# Altium PCB Fri3D_2018_01.PcbDoc (part 2 of 3) (continued)
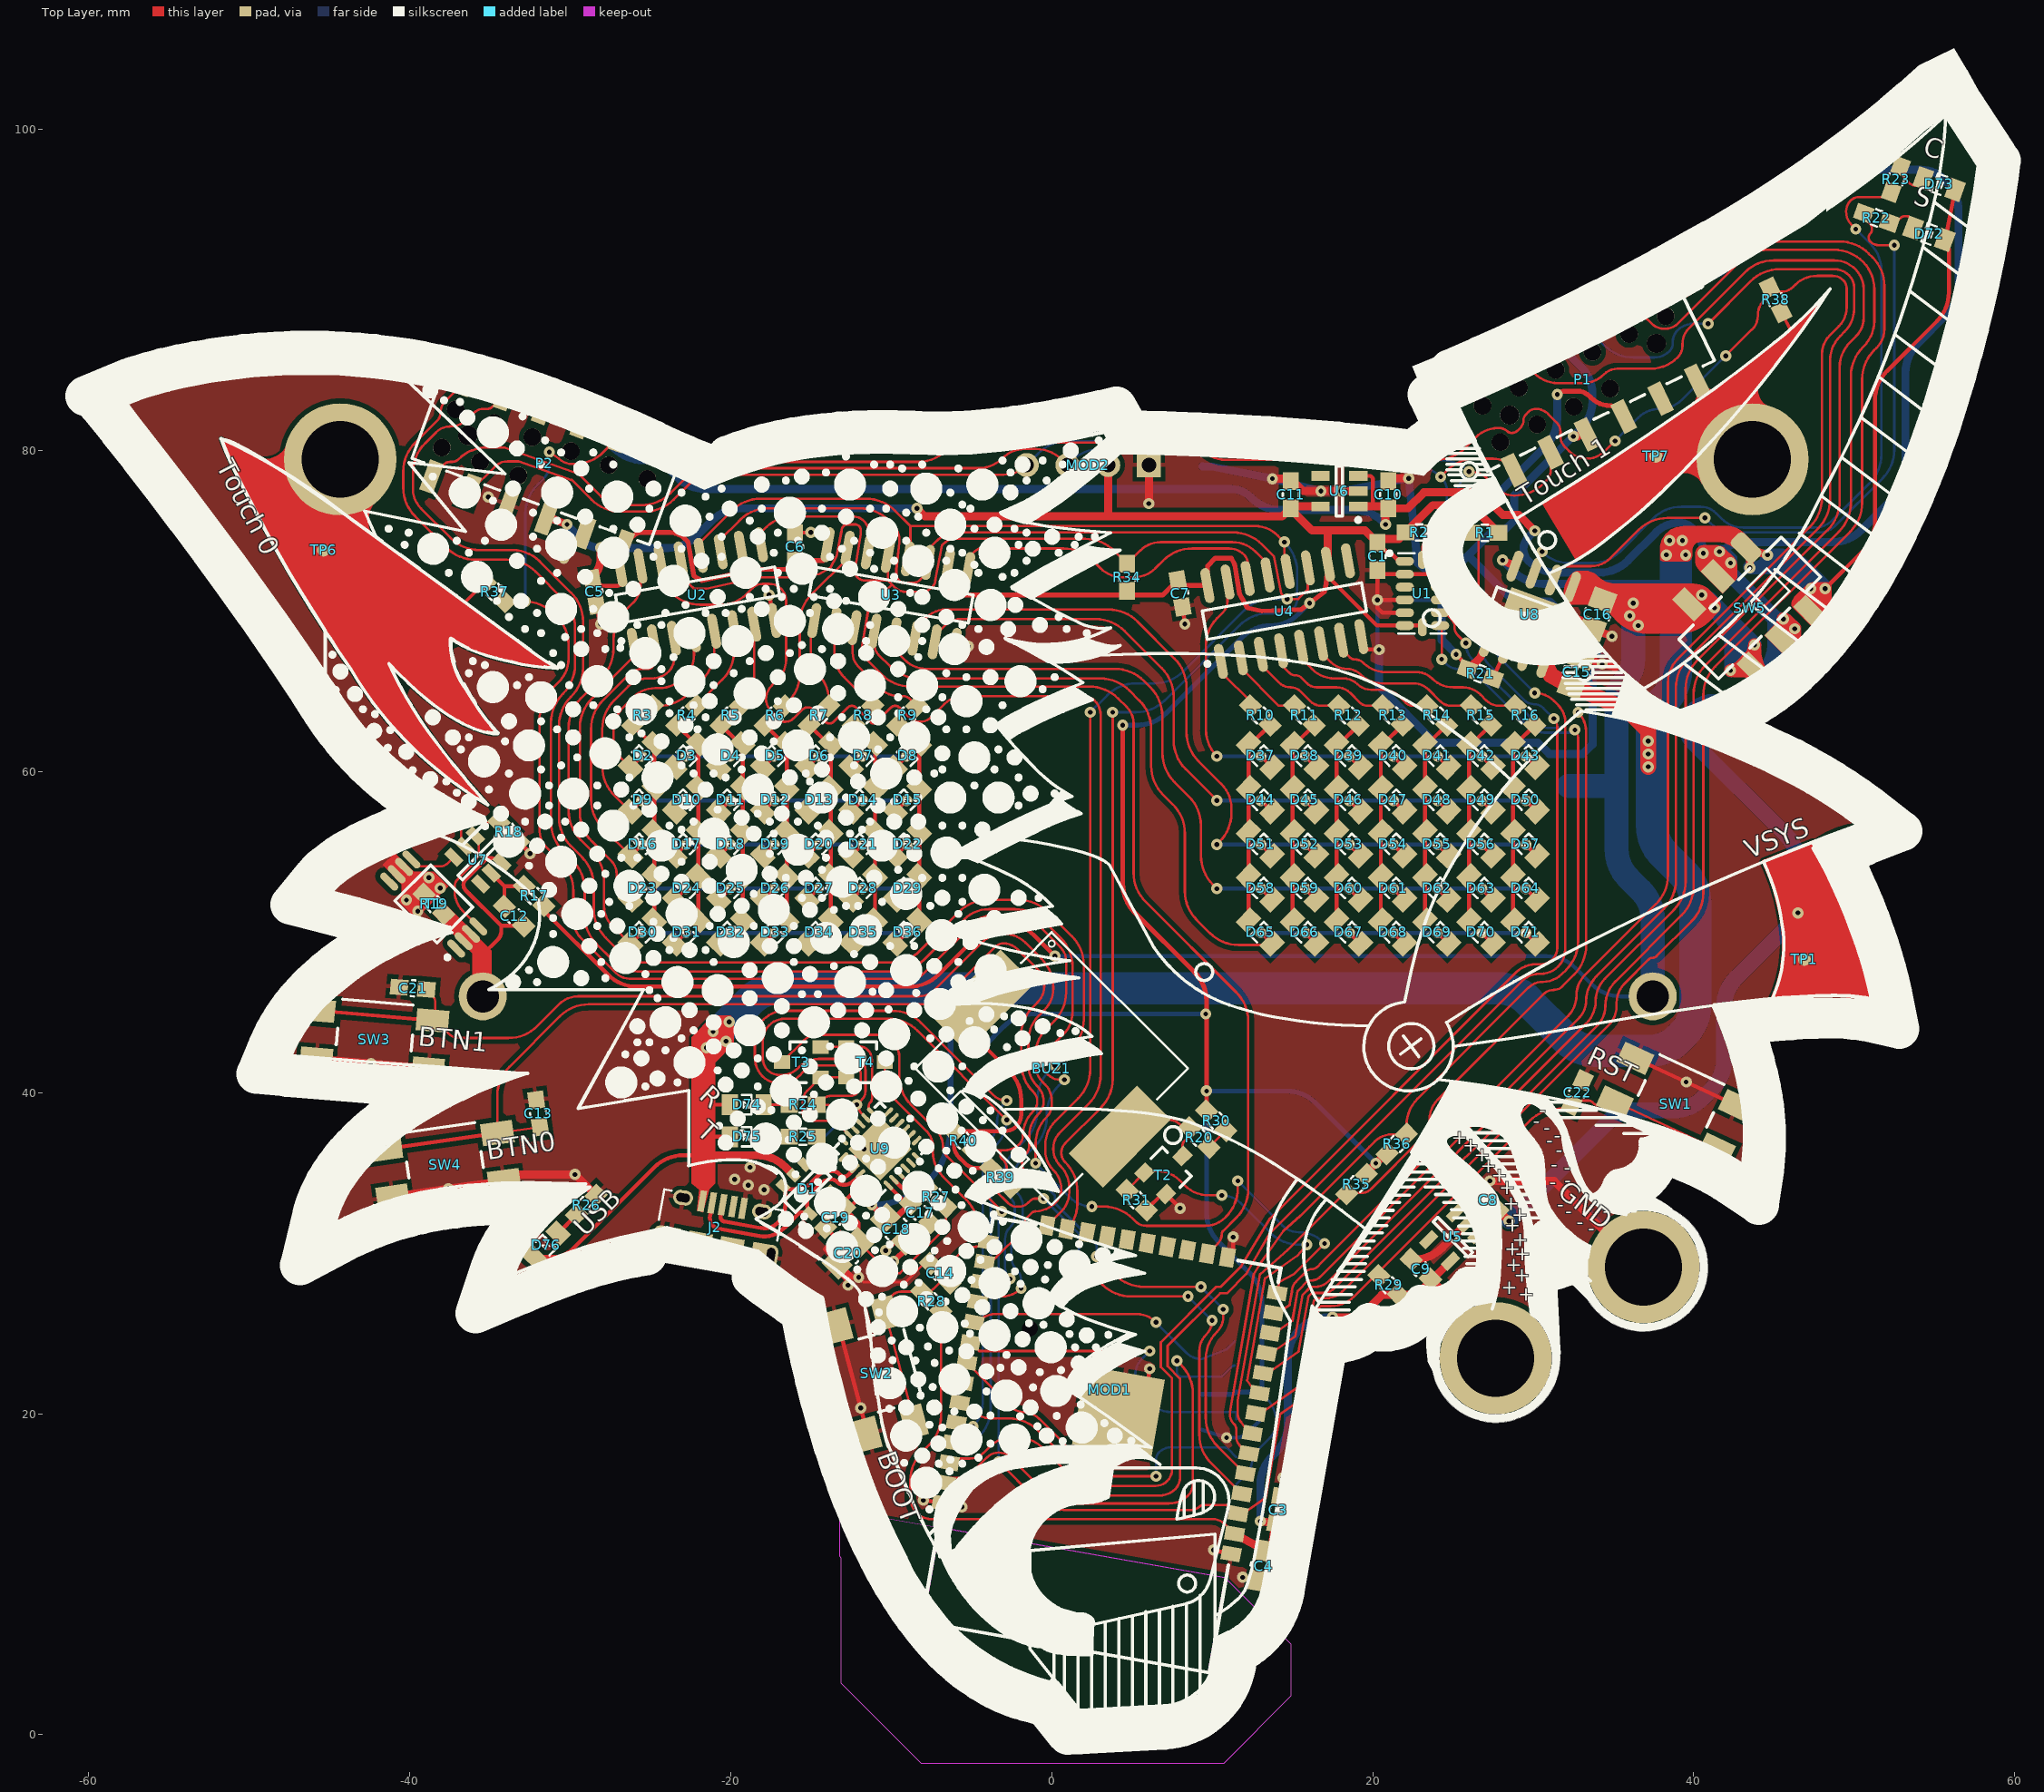
[diagram p0: Top Layer view]
## Nets (pads, with @x,y where several pads share a name; then routed paths per layer and width w, separated by ;. In a path a pad name is that pad's centre, name@x,y a point inside that pad or via, vN(x,y) a via of type N, cw(c..) or ccw(c..) an arc to the next point about the centre after c; other vN are vias at no path point) (continued)
  Bottom Layer w0.15: v1(40.7,75.8) 40.856,75.644 ccw(c42.652,77.44) 40.875,75.625 ccw(c42.652,77.44) 42.652,74.9 47.834,74.9 ccw(c47.834,76.266) 48.799,75.299 ; 48.8,75.3 51.756,78.256 ccw(c49.96,80.052) 52.5,80.052 v1(52.5,92.8)
NetR23_2: R23.2 U8.7 | length 45.9
  Top Layer w0.15: U8.7@30.1,72.6 v1(30.547,73.7) ; v1(50.1,93.8) 49.854,94.046 cw(c50.707,94.9) 49.5,94.9 cw(c50.466,94.9) 49.783,95.583 cw(c50.307,95.059) 50.307,95.8 52.008,95.8 R23.2@52.309,96.101
  Bottom Layer w0.15: v1(30.547,73.7) 30.574,73.674 ccw(c32.2,75.3) 32.2,73 33.725,73 ccw(c33.725,75.353) 35.388,73.688 ; 35.389,73.689 37.456,75.756 cw(c39.252,73.96) 39.252,76.5 40.434,76.5 cw(c40.434,75.134) 41.399,76.101 41.734,75.766 ; 41.735,75.765 ccw(c43.1,77.131) 43.1,75.2 47.5,75.2 ccw(c47.5,76.89) 48.694,75.694 ; 48.695,75.695 50.956,77.956 ccw(c49.16,79.752) 50.958,77.958 ccw(c49.16,79.752) 51.7,79.752 51.7,91.21 ccw(c49.31,91.21) 51,92.9 v1(50.1,93.8)
NetR27_2: R27.2 U9.9 | length 2
  Top Layer w0.15: U9.9@-9.475,34.927 -8.649,34.101 R27.2@-7.796,34.101
NetT1_4: T1.4 U7.1 | length 6.8
  Top Layer w0.15: -36.054,54.246 -37.009,53.291 ccw(c-36.548,52.83) -37.2,52.83 -37.2,52.536 ccw(c-35.493,52.536) -37,51.734 ccw(c-35.493,52.536) -36.7,51.329 T1.4@-35.725,50.353 ; -36.053,54.247 ccw(c-36.907,55.1) -35.7,55.1 -35.7,55.794 U7.1@-35.909,56.003
NetT1_5: T1.5 U7.3 | length 3
  Top Layer w0.15: T1.5@-39.897,54.525 -39.471,54.1 -38.111,54.1 ccw(c-38.111,54.823) -37.6,54.312 U7.3@-37.253,54.659
NetU2_9: U2.9 U3.14 | length 9.6
  Top Layer w0.15: U2.9@-18.118,74.135 -18.118,74.882 -17.75,75.25 cw(c-16.181,73.681) -16.181,75.9 -12.4,75.9 cw(c-12.4,74.9) -12.174,75.874 cw(c-12.4,74.9) -11.426,75.126 cw(c-12.4,74.9) -11.4,74.9 U3.14@-11.4,74.5 ; U3.14@-11.459,73.694 U3.14@-11.459,74.441
  Top Layer w0.25: U3.14@-11.459,74.441 U3.14@-11.4,74.5
NetU3_9: U3.9 U4.14 | length 20.9
  Top Layer w0.15: U3.9@-5.206,72.592 -5.206,73.294 -4.75,73.75 cw(c-4.388,73.388) -4.388,73.9 0.748,73.9 cw(c0.748,71.36) 2.544,73.156 3,72.7 ccw(c4.449,74.149) 4.449,72.1 5.051,72.1 ccw(c5.051,74.149) 5.317,72.117 ccw(c5.051,74.149) 6.5,72.7 6.956,73.156 cw(c8.752,71.36) 8.752,73.9 11.052,73.9 cw(c11.052,72.559) 12,73.507 cw(c11.5,73.007) 12.207,73.007 U4.14@12.207,72.033
PWM.0: MOD1.8 P1.12 | length 104.3
  Top Layer w0.15: MOD1.8@12.722,20.015 12.956,19.974 15.397,21.683 16.342,27.04 16.502,27.2 17.134,27.2 ccw(c17.134,28.566) 18.1,27.6 34.705,44.205 ccw(c33.51,45.4) 35.2,45.4 35.2,45.593 cw(c36.907,45.593) 35.7,46.8 37.194,48.294 ; 37.194,48.294 cw(c37.45,48.038) 37.45,48.4 ccw(c37.45,48.762) 37.706,48.506 39.856,50.656 ccw(c38.06,52.452) 40.6,52.452 40.6,64.748 cw(c43.14,64.748) 41.344,66.544 49.756,74.956 ccw(c47.96,76.752) 50.5,76.752 50.5,84.448 cw(c53.04,84.448) 50.753,85.553 cw(c53.04,84.448) 51.244,86.244 51.4,86.4 ccw(c50.232,87.568) 51.884,87.568 51.884,90.251 ccw(c49.344,90.251) 51.14,92.047 50.905,92.281 ccw(c49.109,90.485) 49.109,93.025 44.177,93.025 ccw(c44.177,90.485) 42.381,92.281 40.144,90.044 cw(c38.589,91.599) 38.589,89.4 cw(c38.589,90.547) 37.778,89.736 P1.12@37.412,90.102
PWM.1: MOD1.10 P1.10 | length 103.3
  Top Layer w0.15: MOD1.10@13.163,22.517 13.397,22.475 15.388,23.869 15.993,27.298 16.214,27.52 16.9,27.52 ccw(c16.9,28.532) 17.616,27.816 34.005,44.205 ; 34.006,44.206 ccw(c32.81,45.4) 34.5,45.4 cw(c36.673,45.4) 35.136,46.936 39.256,51.056 ccw(c37.46,52.852) 40,52.852 40,64.848 cw(c42.54,64.848) 40.744,66.644 49.056,74.956 ccw(c47.26,76.752) 49.8,76.752 49.8,84.648 cw(c52.34,84.648) 50.544,86.444 50.6,86.5 ; P1.10@35.129,88.988 35.818,88.3 36.717,88.3 cw(c36.717,87.617) 37.2,88.1 37.4,87.9 ccw(c38.143,88.643) 38.143,87.592 38.257,87.592 ccw(c38.257,88.643) 39,87.9 42.905,91.805 cw(c44.6,90.109) 43.752,92.352 cw(c44.6,90.109) 44.6,92.507 48.755,92.507 cw(c48.755,89.967) 50.551,91.763 cw(c48.846,90.058) 50.552,91.762 cw(c48.846,90.058) 51.257,90.058 51.257,88.086 cw(c49.014,88.086) 50.601,86.501
PWM.2: MOD1.11 P1.4 | length 108.8
  Top Layer w0.15: MOD1.11@13.384,23.767 13.618,23.726 15.187,24.825 15.641,27.4 16.141,27.9 16.4,27.9 ccw(c16.4,29.107) 17.253,28.253 ; 17.254,28.254 33.321,44.321 ccw(c31.934,45.708) 33.896,45.708 cw(c35.857,45.708) 34.47,47.095 38.756,51.381 ccw(c36.96,53.177) 39.5,53.177 39.5,65.148 cw(c42.04,65.148) 40.244,66.944 48.356,75.056 ccw(c46.56,76.852) 49.1,76.852 49.1,85.2 cw(c51.273,85.2) 49.736,86.736 ; P1.4@28.281,85.648 28.737,85.192 ccw(c29.2,85.655) 29.2,85 29.617,85 cw(c29.617,84.317) 30.1,84.8 ccw(c31.549,86.249) 31.549,84.2 33.092,84.2 ccw(c33.092,86.05) 34.4,84.742 cw(c35.265,83.877) 35.265,85.1 37.311,85.1 ccw(c37.311,87.488) 39,85.8 ; 39,85.8 ccw(c38.276,86.524) 39.3,86.524 39.3,86.63 cw(c40.701,86.63) 39.71,87.621 43.191,91.102 cw(c44.987,89.306) 44.987,91.846 48.761,91.846 cw(c48.761,89.982) 50.078,91.301 ; 49.736,86.736 50.118,87.118 ccw(c48.965,88.271) 50.596,88.271 50.596,90.051 ccw(c48.83,90.051) 50.079,91.3
PWM.3: MOD1.12 P1.2 | length 108.6
  Top Layer w0.15: MOD1.12@13.604,25.018 13.838,24.977 14.998,25.789 15.325,27.641 15.984,28.3 16.2,28.3 ccw(c16.2,29.024) 16.712,28.512 32.876,44.676 ccw(c31.851,45.7) 33.3,45.7 cw(c35.473,45.7) 33.936,47.236 ; P1.2@25.998,84.534 v1(27.1,85) ; 33.936,47.236 38.156,51.456 ccw(c36.36,53.252) 38.9,53.252 38.9,65.248 cw(c41.44,65.248) 39.644,67.044 47.756,75.156 ccw(c45.96,76.952) 48.5,76.952 48.5,85.6 cw(c50.673,85.6) 49.136,87.136 ; v1(40.9,87.9) 43.556,90.556 cw(c45.352,88.76) 45.352,91.3 48.766,91.3 cw(c48.766,90.01) 48.806,91.299 cw(c48.766,90.01) 48.981,91.282 cw(c48.766,90.01) 49.677,90.923 ; 49.136,87.136 49.4,87.4 ccw(c47.951,88.849) 50,88.849 50,90.144 ccw(c48.9,90.144) 49.678,90.922
  Bottom Layer w0.15: v1(27.1,85) 27.348,85 ccw(c27.348,87.54) 29.144,85.744 30.646,87.246 cw(c31.5,86.393) 31.5,87.6 32.348,87.6 cw(c32.348,85.06) 34.144,86.856 34.456,86.544 ccw(c36.252,88.34) 36.252,85.8 37.534,85.8 ccw(c37.534,87.166) 38.5,86.2 38.51,86.21 ccw(c38.051,86.669) 38.7,86.669 38.7,86.776 cw(c39.724,86.776) 39,87.5 cw(c39.966,86.534) 39.966,87.9 v1(40.9,87.9)
SD.CLK: J1.5 MOD1.30 R41.2 | length 21.2
  Top Layer w0.15: MOD1.30@-5.068,24.442 -4.544,23.918 ccw(c-4.5,23.963) -4.5,23.9 5.931,23.9 cw(c5.931,23.732) 6.049,23.851 cw(c4.622,22.422) v1@6.05,23.85
  Bottom Layer w0.15: v1(6.1,23.9) 5.626,23.426 ccw(c6.655,22.397) 5.2,22.397 ccw(c7.497,22.397) 7.497,20.1 J1.5@9.35,20.1 11.5,20.1 R41.2@11.5,19.65
SD.CS: J1.2 MOD1.29 R32.2 | length 17.7
  Top Layer w0.15: MOD1.29@-4.847,25.692 -4.76,25.692 ccw(c-4.76,26.06) -4.5,25.8 cw(c-3.534,24.834) -3.534,26.2 5.293,26.2 cw(c5.293,24.493) 6.285,25.882 cw(c5.293,24.493) v1(6.5,25.7)
  Bottom Layer w0.15: v1(6.5,25.7) 6.5,25.682 8.38,23.802 ccw(c9.35,24.772) J1.2@9.35,23.4 10.9,24 R32.2@11.4,24.5
SD.DI: J1.3 MOD1.37 R43.2 | length 30.6
  Top Layer w0.15: MOD1.37@-6.611,15.687 -6.298,16 -5.7,16 ccw(c-5.7,16.966) -5.017,16.283 -4.026,17.274 cw(c-3.3,16.549) -3.3,17.575 cw(c-3.3,16.549) -2.574,17.274 -0.444,15.144 ccw(c1.352,16.94) -0.442,15.142 ccw(c1.352,16.94) 1.352,14.4 7.293,14.4 ccw(c7.293,16.107) 8.5,14.9 ccw(c7.776,15.624) 8.8,15.624 8.8,21.248 ccw(c6.26,21.248) 8.056,23.044 v1(7.8,23.3)
  Bottom Layer w0.15: v1(7.8,23.3) 7.8,22.6 ccw(c8.1,22.6) 8.1,22.3 J1.3@9.35,22.3 10.459,22.3 ccw(c10.459,22.641) 10.7,22.4 11.229,22.929 cw(c11.4,22.759) R43.2@11.4,23
SD.DO: J1.7 MOD1.31 R42.2 | length 21.2
  Top Layer w0.15: MOD1.31@-5.288,23.191 -2.478,20.381 ccw(c-1.8,21.059) -1.8,20.1 cw(c-1.8,18.651) -0.776,19.676 2.056,16.844 ccw(c3.852,18.64) 3.852,16.1 v1(6.5,16.1)
  Bottom Layer w0.15: v1(6.5,16.1) 6.5,17.117 cw(c7.183,17.117) 6.7,17.6 cw(c7.424,16.876) 7.424,17.9 J1.7@9.35,17.9 10.759,17.9 cw(c10.759,17.559) 11,17.8 R42.2@11.5,17.3
SPI.CLK: MOD1.20
SPI.CS0: MOD1.19
SPI.D: MOD1.22
SPI.HD: MOD1.17
SPI.Q: MOD1.21
SPI.WP: MOD1.18
SR.D0: D30.1 D31.1 D32.1 D33.1 D34.1 D35.1 D36.1 U2.15 | length 49.8
  Top Layer w0.15: -27.386,50.401 cw(c-26.141,51.643) -27.9,51.643 -27.9,53.248 ccw(c-30.44,53.248) -28.644,55.044 -29.356,55.756 cw(c-27.56,57.552) -30.1,57.552 -30.1,62.748 cw(c-27.56,62.748) -29.356,64.544 -28.044,65.856 ccw(c-29.84,67.652) -27.3,67.652 -27.3,68.248 cw(c-24.76,68.248) -26.556,70.044 -26.061,70.539 ccw(c-27.123,71.6) -25.622,71.6 U2.15@-25.622,72.812 ; -27.385,50.4 D30.1@-26.242,49.258
  Top Layer w0.25: D30.1@-26.242,49.258 v1(-25.542,49.958) ; D31.1@-23.492,49.258 v1(-22.792,49.958) ; D32.1@-20.742,49.258 v1(-20.042,49.958) ; D33.1@-17.992,49.258 v1(-17.292,49.958) ; D34.1@-15.242,49.258 v1(-14.542,49.958) ; D35.1@-12.492,49.258 v1(-11.792,49.958) ; D36.1@-9.742,49.258 v1(-9.042,49.958)
  Bottom Layer w0.25: v1(-25.542,49.958) v1(-22.792,49.958) v1(-20.042,49.958) v1(-17.292,49.958) v1(-14.542,49.958) v1(-11.792,49.958) v1(-9.042,49.958)
SR.D1: D23.1 D24.1 D25.1 D26.1 D27.1 D28.1 D29.1 U2.1 | length 41.7
  Top Layer w0.15: D23.1@-26.242,52.008 -26.735,52.5 cw(c-25.854,53.381) -27.1,53.381 -27.1,53.6 ccw(c-28.307,53.6) -27.453,54.453 -28.656,55.656 cw(c-26.86,57.452) -29.4,57.452 -29.4,62.748 cw(c-26.86,62.748) -28.656,64.544 -26.039,67.161 U2.1@-26.039,67.865
  Top Layer w0.25: D23.1@-26.242,52.008 v1(-25.542,52.708) ; D24.1@-23.492,52.008 v1(-22.792,52.708) ; D25.1@-20.742,52.008 v1(-20.042,52.708) ; D26.1@-17.992,52.008 v1(-17.292,52.708) ; D27.1@-15.242,52.008 v1(-14.542,52.708) ; D28.1@-12.492,52.008 v1(-11.792,52.708) ; D29.1@-9.742,52.008 v1(-9.042,52.708)
  Bottom Layer w0.25: v1(-25.542,52.708) v1(-22.792,52.708) v1(-20.042,52.708) v1(-17.292,52.708) v1(-14.542,52.708) v1(-11.792,52.708) v1(-9.042,52.708)
SR.D2: D16.1 D17.1 D18.1 D19.1 D20.1 D21.1 D22.1 U2.2 | length 39.7
  Top Layer w0.15: D16.1@-26.242,54.758 -27.956,56.471 cw(c-26.16,58.267) -28.7,58.267 -28.7,62.648 cw(c-26.16,62.648) -27.956,64.444 -26.354,66.046 cw(c-25.5,65.193) -25.5,66.4 -25.15,66.4 ccw(c-25.15,66.761) -24.895,66.505 ; -24.894,66.506 ccw(c-25.15,66.761) -24.788,66.761 U2.2@-24.788,68.085
  Top Layer w0.25: D16.1@-26.242,54.758 v1(-25.542,55.458) ; D17.1@-23.492,54.758 v1(-22.792,55.458) ; D18.1@-20.742,54.758 v1(-20.042,55.458) ; D19.1@-17.992,54.758 v1(-17.292,55.458) ; D20.1@-15.242,54.758 v1(-14.542,55.458) ; D21.1@-12.492,54.758 v1(-11.792,55.458) ; D22.1@-9.742,54.758 v1(-9.042,55.458)
  Bottom Layer w0.25: v1(-25.542,55.458) v1(-22.792,55.458) v1(-20.042,55.458) v1(-17.292,55.458) v1(-14.542,55.458) v1(-11.792,55.458) v1(-9.042,55.458)
SR.D3: D9.1 D10.1 D11.1 D12.1 D13.1 D14.1 D15.1 U2.3 | length 37.3
  Top Layer w0.15: D9.1@-26.242,57.508 -27.256,58.521 cw(c-25.46,60.317) -28,60.317 -28,62.648 cw(c-25.46,62.648) -27.256,64.444 -26.395,65.305 cw(c-25.2,64.11) -25.2,65.8 -24.941,65.8 ccw(c-24.941,67.347) -23.849,66.251 ccw(c-24.941,67.347) -23.847,66.253 ; -23.847,66.253 ccw(c-24.594,67) -23.538,67 U2.3@-23.538,68.306
  Top Layer w0.25: D9.1@-26.242,57.508 v1(-25.542,58.208) ; D10.1@-23.492,57.508 v1(-22.792,58.208) ; D11.1@-20.742,57.508 v1(-20.042,58.208) ; D12.1@-17.992,57.508 v1(-17.292,58.208) ; D13.1@-15.242,57.508 v1(-14.542,58.208) ; D14.1@-12.492,57.508 v1(-11.792,58.208) ; D15.1@-9.742,57.508 v1(-9.042,58.208)
  Bottom Layer w0.25: v1(-25.542,58.208) v1(-22.792,58.208) v1(-20.042,58.208) v1(-17.292,58.208) v1(-14.542,58.208) v1(-11.792,58.208) v1(-9.042,58.208)
SR.D4: D2.1 D3.1 D4.1 D5.1 D6.1 D7.1 D8.1 U2.4 | length 34.9
  Top Layer w0.15: -26.886,60.901 cw(c-25.883,61.902) -27.3,61.902 -27.3,62.551 cw(c-25.251,62.551) -26.7,64 -26.066,64.634 cw(c-24.7,63.269) -24.7,65.2 -24.449,65.2 ccw(c-24.449,67.249) -23,65.8 -22.843,65.957 ccw(c-24.186,67.3) -22.287,67.3 U2.4@-22.287,68.526 ; -26.885,60.9 D2.1@-26.242,60.258
  Top Layer w0.25: D2.1@-26.242,60.258 v1(-25.542,60.958) ; D3.1@-23.492,60.258 v1(-22.792,60.958) ; D4.1@-20.742,60.258 v1(-20.042,60.958) ; D5.1@-17.992,60.258 v1(-17.292,60.958) ; D6.1@-15.242,60.258 v1(-14.542,60.958) ; D7.1@-12.492,60.258 v1(-11.792,60.958) ; D8.1@-9.742,60.258 v1(-9.042,60.958)
  Bottom Layer w0.25: v1(-25.542,60.958) v1(-22.792,60.958) v1(-20.042,60.958) v1(-17.292,60.958) v1(-14.542,60.958) v1(-11.792,60.958) v1(-9.042,60.958)
SR.D5: R3.2 U2.5 | length 6.9
  Top Layer w0.15: R3.2@-24.899,64.101 -24.451,64.101 ccw(c-24.451,66.641) -22.813,64.7 ccw(c-24.451,66.641) -22.655,64.845 -21.769,65.731 ; -21.768,65.732 ccw(c-23.538,67.5) -21.036,67.5 U2.5@-21.036,68.747
SR.D6: R4.2 U2.6 | length 5.7
  Top Layer w0.15: R4.2@-22.149,64.101 -20.529,65.721 ccw(c-22.325,67.517) -19.785,67.517 U2.6@-19.785,68.967
SR.D7: R5.2 U2.7 | length 5.4
  Top Layer w0.15: R5.2@-19.399,64.101 -18.8,64.7 ccw(c-19.441,65.341) -18.535,65.341 U2.7@-18.535,69.188
SR.D8: R6.2 U3.15 | length 11.2
  Top Layer w0.15: R6.2@-16.649,64.101 -16.444,64.306 ccw(c-18.24,66.102) -15.7,66.102 -15.7,69.248 cw(c-13.16,69.248) -14.956,71.044 -12.71,73.29 U3.15@-12.71,73.915
SR.D9: R7.2 U3.1 | length 5.7
  Top Layer w0.15: U3.1@-14.794,69.408 -15,69.203 -15,67.207 ccw(c-13.293,67.207) -14.501,66.001 ; -14.5,66 cw(c-15.951,64.549) -13.899,64.549 R7.2@-13.899,64.101
SR.D10: R8.2 U3.2 | length 6
  Top Layer w0.15: U3.2@-13.544,69.188 -13.544,67.372 ccw(c-11.428,67.372) -12.924,65.876 R8.2@-11.149,64.101
SR.D11: R9.2 U3.3 | length 7.1
  Top Layer w0.15: U3.3@-12.293,68.967 -12.4,68.86 -12.4,67.4 ccw(c-11.193,67.4) -12.047,66.547 ; -12.046,66.546 -10.695,65.195 ccw(c-9.5,66.39) -10.693,65.193 ccw(c-9.5,66.39) -9.5,64.7 -9.278,64.7 cw(c-9.278,64.025) -8.8,64.502 R9.2@-8.399,64.101
SR.D12: D65.1 D66.1 D67.1 D68.1 D69.1 D70.1 D71.1 U3.4 | length 62.1
  Top Layer w0.15: U3.4@-11.042,68.747 -11.042,67.884 ccw(c-10.216,67.884) -10.8,67.3 -10.044,66.544 ccw(c-8.248,68.34) -8.248,65.8 3.048,65.8 cw(c3.048,63.26) 4.844,65.056 5.456,64.444 cw(c3.66,62.648) 6.2,62.648 6.2,60.352 ccw(c8.74,60.352) 6.944,58.556 7.556,57.944 cw(c5.76,56.148) 8.3,56.148 8.3,52.552 ccw(c10.84,52.552) 9.044,50.756 9.856,49.944 ccw(c11.652,51.74) 11.652,49.2 13.604,49.2 ccw(c13.604,49.396) 13.735,49.25 ccw(c13.604,49.396) D65.1@13.742,49.258
  Top Layer w0.25: v1(13.042,49.958) D65.1@13.742,49.258 ; v1(15.792,49.958) D66.1@16.492,49.258 ; v1(18.542,49.958) D67.1@19.242,49.258 ; v1(21.292,49.958) D68.1@21.992,49.258 ; v1(24.042,49.958) D69.1@24.742,49.258 ; v1(26.792,49.958) D70.1@27.492,49.258 ; v1(29.542,49.958) D71.1@30.242,49.258
  Bottom Layer w0.25: v1(13.042,49.958) v1(15.792,49.958) v1(18.542,49.958) v1(21.292,49.958) v1(24.042,49.958) v1(26.792,49.958) v1(29.542,49.958)
SR.D13: D58.1 D59.1 D60.1 D61.1 D62.1 D63.1 D64.1 U3.5 | length 57.7
  Top Layer w0.15: U3.5@-9.791,68.526 -9.791,67.591 -9.166,66.966 ; -9.165,66.965 ccw(c-7.8,68.331) -7.8,66.4 3.948,66.4 cw(c3.948,63.86) 5.744,65.656 6.156,65.244 cw(c4.36,63.448) 6.9,63.448 6.9,61.152 ccw(c9.44,61.152) 7.644,59.356 8.556,58.444 cw(c6.76,56.648) 9.3,56.648 9.3,54.752 ccw(c11.84,54.752) 10.044,52.956 v1(10.292,52.708)
  Top Layer w0.25: v1(13.042,52.708) D58.1@13.742,52.008 ; v1(15.792,52.708) D59.1@16.492,52.008 ; v1(18.542,52.708) D60.1@19.242,52.008 ; v1(21.292,52.708) D61.1@21.992,52.008 ; v1(24.042,52.708) D62.1@24.742,52.008 ; v1(26.792,52.708) D63.1@27.492,52.008 ; v1(29.542,52.708) D64.1@30.242,52.008
  Bottom Layer w0.25: v1(10.292,52.708) v1(13.042,52.708) v1(15.792,52.708) v1(18.542,52.708) v1(21.292,52.708) v1(24.042,52.708) v1(26.792,52.708) v1(29.542,52.708)
SR.D14: D51.1 D52.1 D53.1 D54.1 D55.1 D56.1 D57.1 U3.6 | length 57.5
  Top Layer w0.15: U3.6@-8.541,68.306 -8.541,68.859 -7.8,69.6 cw(c-6.593,68.393) -6.593,70.1 3.548,70.1 cw(c3.548,67.56) 5.344,69.356 7.656,67.044 cw(c5.86,65.248) 8.4,65.248 8.4,62.452 ccw(c10.94,62.452) 9.144,60.656 10.564,59.236 cw(c9.027,57.7) 11.2,57.7 11.2,57.417 cw(c8.66,57.417) 10.456,55.621 v1(10.292,55.458)
  Top Layer w0.25: v1(13.042,55.458) D51.1@13.742,54.758 ; v1(15.792,55.458) D52.1@16.492,54.758 ; v1(18.542,55.458) D53.1@19.242,54.758 ; v1(21.292,55.458) D54.1@21.992,54.758 ; v1(24.042,55.458) D55.1@24.742,54.758 ; v1(26.792,55.458) D56.1@27.492,54.758 ; v1(29.542,55.458) D57.1@30.242,54.758
  Bottom Layer w0.25: v1(10.292,55.458) v1(13.042,55.458) v1(15.792,55.458) v1(18.542,55.458) v1(21.292,55.458) v1(24.042,55.458) v1(26.792,55.458) v1(29.542,55.458)
SR.D15: D44.1 D45.1 D46.1 D47.1 D48.1 D49.1 D50.1 U3.7 | length 51.7
  Top Layer w0.15: U3.7@-7.29,68.085 -7.29,68.46 -6.65,69.1 cw(c-5.684,68.134) -5.684,69.5 2.748,69.5 cw(c2.748,66.96) 4.544,68.756 6.856,66.444 cw(c5.06,64.648) 7.6,64.648 7.6,61.952 ccw(c10.14,61.952) 8.344,60.156 v1(10.292,58.208)
  Top Layer w0.25: v1(13.042,58.208) D44.1@13.742,57.508 ; v1(15.792,58.208) D45.1@16.492,57.508 ; v1(18.542,58.208) D46.1@19.242,57.508 ; v1(21.292,58.208) D47.1@21.992,57.508 ; v1(24.042,58.208) D48.1@24.742,57.508 ; v1(26.792,58.208) D49.1@27.492,57.508 ; v1(29.542,58.208) D50.1@30.242,57.508
  Bottom Layer w0.25: v1(10.292,58.208) v1(13.042,58.208) v1(15.792,58.208) v1(18.542,58.208) v1(21.292,58.208) v1(24.042,58.208) v1(26.792,58.208) v1(29.542,58.208)
SR.D16: D37.1 D38.1 D39.1 D40.1 D41.1 D42.1 D43.1 U4.15 | length 37.6
  Top Layer w0.15: v1(10.292,60.958) cw(c11.932,62.597) 9.613,62.597 9.613,67.892 cw(c11.958,67.892) 10.299,69.549 cw(c11.958,67.892) 10.3,69.55 10.678,69.928 ccw(c10.006,70.6) 10.956,70.6 U4.15@10.956,71.812
  Top Layer w0.25: v1(13.042,60.958) D37.1@13.742,60.258 ; v1(15.792,60.958) D38.1@16.492,60.258 ; v1(18.542,60.958) D39.1@19.242,60.258 ; v1(21.292,60.958) D40.1@21.992,60.258 ; v1(24.042,60.958) D41.1@24.742,60.258 ; v1(26.792,60.958) D42.1@27.492,60.258 ; v1(29.542,60.958) D43.1@30.242,60.258
  Bottom Layer w0.25: v1(10.292,60.958) v1(13.042,60.958) v1(15.792,60.958) v1(18.542,60.958) v1(21.292,60.958) v1(24.042,60.958) v1(26.792,60.958) v1(29.542,60.958)
SR.D17: R10.2 U4.1 | length 3.5
  Top Layer w0.15: U4.1@10.539,66.865 10.539,66.211 R10.2@12.524,64.226
SR.D18: R11.2 U4.2 | length 5
  Top Layer w0.15: U4.2@11.79,67.085 11.79,66.46 14.149,64.101 R11.2@15.149,64.101
SR.D19: R12.2 U4.3 | length 6.4
  Top Layer w0.15: U4.3@13.041,67.306 13.041,66.669 14.149,65.561 ccw(c14.9,66.312) 14.9,65.25 cw(c14.9,64.405) 15.497,65.003 ; 15.497,65.003 16.115,64.385 ccw(c16.8,65.069) 16.8,64.101 R12.2@17.899,64.101
SR.D20: R13.2 U4.4 | length 8.1
  Top Layer w0.15: U4.4@14.291,67.526 14.291,66.668 14.799,66.161 ccw(c15.187,66.549) 15.187,66 cw(c15.187,65.451) 15.575,65.839 15.926,65.488 ccw(c16.5,66.061) 15.928,65.486 ccw(c16.5,66.061) 16.5,65.25 17.755,65.25 cw(c17.755,64.055) 18.6,64.9 19.186,64.314 ; 19.187,64.313 ccw(c19.7,64.828) 19.7,64.101 R13.2@20.649,64.101
SR.D21: R14.2 U4.5 | length 9.6
  Top Layer w0.15: U4.5@15.542,67.747 15.542,67.059 16.201,66.401 ccw(c17.651,67.851) 17.651,65.8 18.205,65.8 cw(c18.205,64.605) 19.05,65.45 ccw(c19.895,66.295) 19.895,65.1 20.616,65.1 cw(c20.616,63.567) 21.7,64.651 22.073,64.278 ccw(c22.5,64.705) 22.5,64.101 R14.2@23.399,64.101 R14.2@23.5,64.101
SR.D22: R15.2 U4.6 | length 11
  Top Layer w0.15: U4.6@16.793,67.967 16.793,67.428 17.412,66.809 ccw(c18.4,67.797) 18.4,66.4 cw(c18.4,65.193) 19.254,66.046 ccw(c20.573,67.366) 19.255,66.045 ccw(c20.573,67.366) 20.573,65.5 22.524,65.5 cw(c22.524,64.12) 23.5,65.096 24.208,64.388 ccw(c24.9,65.079) 24.9,64.101 R15.2@26.149,64.101
SR.D23: R16.2 U4.7 | length 12.4
  Top Layer w0.15: U4.7@18.044,68.188 ccw(c19.326,68.188) 18.419,67.281 18.588,67.112 ccw(c18.893,67.417) 18.893,66.986 cw(c18.893,66.21) 19.441,66.759 ; 19.442,66.758 ccw(c20.79,68.107) 20.79,66.2 22.734,66.2 cw(c22.734,64.834) 23.699,65.801 ccw(c25.028,67.128) 25.028,65.25 25.629,65.25 cw(c25.629,63.714) 26.715,64.8 27.07,64.445 ccw(c27.9,65.274) 27.9,64.101 R16.2@28.899,64.101
SR.DATA_IN: MOD1.24 U2.14 | length 75.8
  Top Layer w0.15: U2.14@-24.371,73.033 -23.951,71.4 -23.695,71.144 ccw(c-21.899,72.94) -21.899,70.4 -20.595,70.4 ccw(c-20.595,72.619) -19.026,71.05 -18.642,71.434 cw(c-18,70.793) -18,71.7 -17.6,71.7 cw(c-17.6,70.65) -16.858,71.393 cw(c-17.6,70.65) -16.55,70.65 -16.55,66.957 cw(c-18.257,66.957) -17.049,65.751 ; -17.05,65.75 -17.446,65.354 ccw(c-16.593,64.5) -17.8,64.5 ccw(c-16.834,64.5) -17.517,63.817 -16.941,63.241 ccw(c-16.6,63.583) -16.6,63.1 ccw(c-16.6,63.824) -16.088,63.312 -15.541,63.859 cw(c-15.2,63.517) -15.2,64 cw(c-15.2,63.517) -14.859,63.859 -14.106,63.106 ccw(c-13.85,63.362) -13.85,63 ccw(c-13.85,63.362) -13.594,63.106 -12.706,63.994 cw(c-12.45,63.738) -12.45,64.1 cw(c-12.45,63.738) -12.194,63.994 -11.271,63.071 ccw(c-11.1,63.241) -11.1,63 ccw(c-11.1,63.241) -10.93,63.07 ; -10.929,63.071 -10.006,63.994 cw(c-9.75,63.738) -9.75,64.1 cw(c-9.75,63.738) -9.494,63.994 -8.812,63.312 ; -8.812,63.312 ccw(c-8.3,63.824) -8.3,63.1 -8.224,63.1 ccw(c-8.224,64.124) -7.5,63.4 -6.695,64.205 ; -6.694,64.206 cw(c-5.5,63.01) -5.5,64.7 2,64.7 cw(c2,63.734) 2.683,64.417 cw(c1.796,63.531) 3.05,63.531 3.05,41.102 cw(c0.51,41.102) 2.306,39.306 0.524,37.524 ; MOD1.24@-0.299,31.725 -0.275,31.725 0.6,32.6 ; 0.524,37.524 ccw(c1.549,36.5) 0.1,36.5 ccw(c1.607,36.5) 0.541,35.435 cw(c-0.807,34.086) 1.1,34.086 1.1,33.807 cw(c-0.607,33.807) 0.601,32.601
SR.O\E\: MOD1.16 R34.2 U2.13 U3.13 U4.13 | length 111.1
  Top Layer w0.15: U2.13@-23.12,73.253 -22.724,71.8 -22.287,71.4 -21.5,71.4 -18.3,72.1 -16.2,72.1 -14.5,72.3 -13.8,72.7 -13.4,73.439 -13.1,74.965 cw(c-12.641,74.965) -12.966,75.29 cw(c-12.7,75.024) -12.94,75.313 cw(c-12.7,75.024) -12.7,75.4 -12.241,75.4 cw(c-12.241,75.059) -12.199,75.397 cw(c-12.241,75.059) -12,75.3 cw(c-12.241,75.059) -11.9,75.059 -11.9,74.8 -12.129,73.4 -12.269,72.5 ccw(c-11.711,72.5) -12.106,72.106 ; -12.106,72.106 ccw(c-11.618,72.593) -12.105,72.105 ccw(c-11.618,72.593) -11.618,71.904 -11.2,71.904 -10.209,71.909 ; U3.13@-10.209,73.474 -10.209,71.909 ; -6.729,74.2 -6.829,74.1 -7.252,71.9 cw(c-7.722,71.9) -7.286,71.726 cw(c-7.722,71.9) -7.39,71.568 -7.528,71.429 cw(c-8.082,71.983) -8.082,71.2 -9.076,71.2 cw(c-9.076,72.224) -9.8,71.5 -9.959,71.659 ; -6.729,74.2 cw(c-6.005,73.476) -6.005,74.5 2.098,74.5 cw(c2.098,71.96) 3.894,73.756 R34.2@4.7,72.95 5.525,73.775 ; 4.676,64.024 4.144,64.556 ccw(c2.348,62.76) 2.348,65.3 -8.8,65.3 cw(c-8.8,67.816) -10.579,66.037 -11.555,67.013 cw(c-10.869,67.7) -11.84,67.7 -11.4,70.2 -9.959,71.641 -9.959,71.659 ; 4.676,64.024 cw(c3.651,63) 5.1,63 5.1,53.702 ccw(c7.64,53.702) 5.844,51.906 11.506,46.244 cw(c9.71,44.448) 12.25,44.448 12.25,34.002 cw(c9.71,34.002) 12.13,33.23 cw(c9.71,34.002) 11.506,32.206 10.671,31.371 ccw(c10.841,31.2) 10.6,31.2 cw(c9.743,31.2) 10.349,30.594 9.716,29.961 MOD1.16@9.706,29.961 ; 5.526,73.776 cw(c6.792,72.508) 6.792,74.3 11.251,74.3 cw(c11.251,72.251) 12.7,73.7 U4.13@13.3,73.1 ; -10.209,71.909 -9.959,71.659 ; U4.13@13.3,73.1 13.3,72.411 U4.13@13.458,72.253 13.458,72.942 U4.13@13.3,73.1
SR.RCLK: MOD1.23 U2.12 U3.12 U4.12 | length 95.1
  Top Layer w0.15: U2.12@-21.87,73.474 -21.87,74.33 -19.944,76.256 cw(c-18.148,74.46) -18.148,77 -11.552,77 cw(c-11.552,74.46) -9.756,76.256 -8.8,75.3 ; U3.12@-8.958,73.253 -8.8,73.411 -8.8,75.3 ; 0.847,35.653 0.856,35.644 cw(c-0.94,33.848) 1.6,33.848 1.6,33.071 cw(c-0.615,33.071) MOD1.23@0.951,31.505 ; 0.847,35.653 cw(c1.445,36.25) 0.6,36.25 cw(c1.445,36.25) 0.847,36.847 3.056,39.056 ccw(c1.26,40.852) 3.8,40.852 v1(3.8,63.7) ; U4.12@14.709,72.474 14.5,72.682 v1(14.5,74.3) 14.1,74.7 ccw(c12.651,73.251) 12.651,75.3 -8.8,75.3
  Bottom Layer w0.15: v1(3.8,63.7) 5.248,63.7 ccw(c5.248,66.24) 7.044,64.444 11.714,69.114 cw(c13.51,67.318) 13.51,69.858 14.375,69.858 ccw(c14.375,70.783) 15.029,70.129 ; v1(14.5,74.3) 14.556,74.244 cw(c12.76,72.448) 15.3,72.448 15.3,70.783 cw(c14.375,70.783) 15.029,70.129